# Altium PCB PCB SOM AM625.PcbDoc (part 3 of 6)
Units mm, origin at the board's own origin, x right, y up, seen from the top; angles counter-clockwise.
Board outline 92 x 91 mm, 6 copper layers (Top Layer, Layer 1, Layer 3, Layer 4, Layer 2, Bottom Layer), stack 1.56 mm thick; 480 components, 371 nets, 1721 pads, 738 vias.
Unrouted connection lines stored in the file: 13.
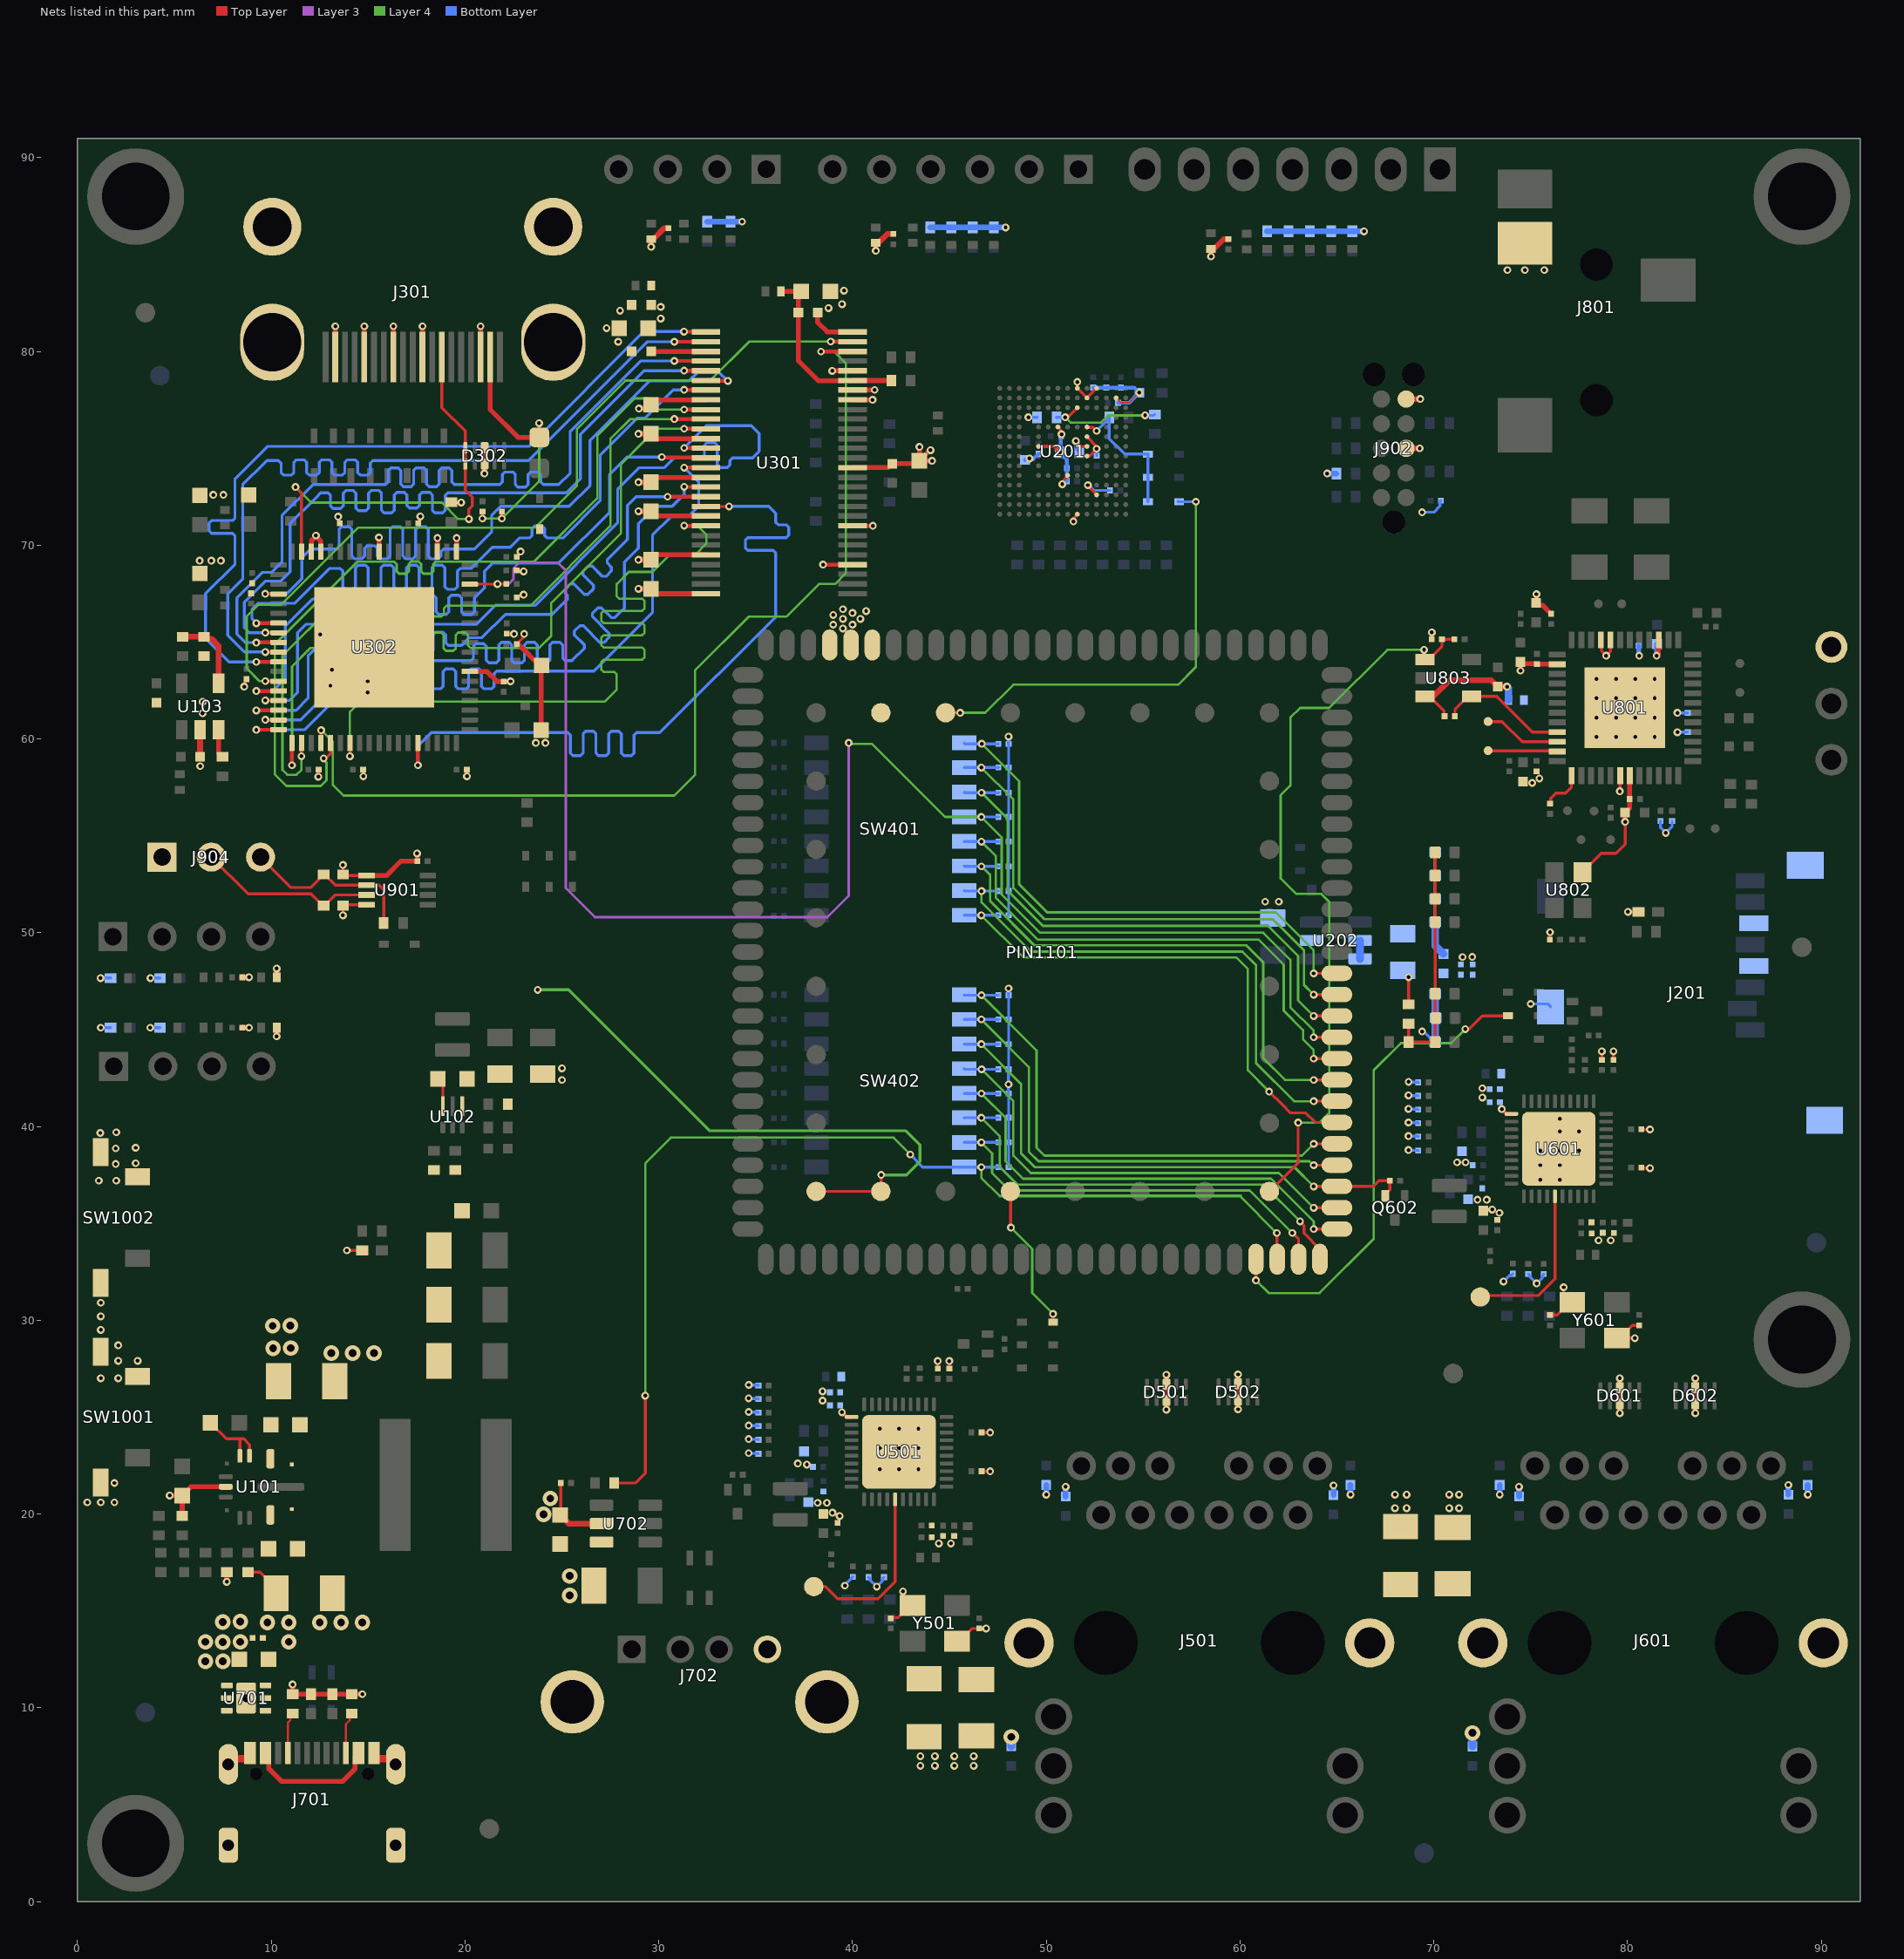
[diagram p7: the nets of this part, all layers, seen from the top]

## Via types
v1: diameter 0.4, hole 0.2, Top Layer to Bottom Layer, tented both sides, 695 vias
v2: diameter 0.8, hole 0.4, Top Layer to Bottom Layer, tented both sides, 40 vias
v3: diameter 0.6, hole 0.3, Top Layer to Bottom Layer, tented both sides, 3 vias

## Nets (pads, with @x,y where several pads share a name; then routed paths per layer and width w, separated by ;. In a path a pad name is that pad's centre, name@x,y a point inside that pad or via, vN(x,y) a via of type N, cw(c..) or ccw(c..) an arc to the next point about the centre after c; other vN are vias at no path point) (continued)
+VDD_3V3_OLDI: C301.1 C302.1 C303.1 C304.1 C305.1 C306.1 FB301.2 U301.31 U301.40 U301.48 U301.56 | length 13.6
  Top Layer w0.25: C303.1@29.6,67.75 29.852,67.498 U301.56@32.431,67.498 ; C304.1@29.6,71.75 29.839,71.511 U301.48@32.431,71.511 ; C302.1@29.6,75.75 29.851,75.499 U301.40@32.431,75.499 ; C306.1@29.6,80 29.603,79.997 32.428,79.997 U301.31@32.431,79.994
  Top Layer w0.3: v1(28.95,67.75) C303.1@29.6,67.75 ; v1(28.95,71.75) C304.1@29.6,71.75 ; v1(28.95,75.75) C302.1@29.6,75.75
  other v1: 30.1,81.7 30.1,82.3
+VDD_3V3_PLL: C309.1 C310.1 FB303.2 R302.2 U301.23 | length 9.8
  Top Layer w0.25: FB303.2@36.3,83.1 C309.1@37.35,83.1 37.2,82.95 C310.1@37.2,82 37.2,79.525 38.229,78.496 U301.23@40,78.496 40.002,78.498 41.898,78.498 R302.2@41.9,78.5
+VDD_3V3_SD: C214.2 C215.1 C216.1 C217.1 J201.4 R215.2 U202.5 U202.6 | length 2.4
  Top Layer w0.15: R215.2@68.7,46.3 v1(68.7,47.7)
  Bottom Layer w0.4: U202.6@66.2,48.65 U202.5@66.2,49.6
+VDD_SD: R215.1 R216.2 R217.2 R218.2 R219.2 R220.2 R221.2 R222.2 R223.2 | length 12.1
  Top Layer w0.15: R215.1@68.7,45.3 R216.2@68.7,44.35 R218.2@70.075,44.35 R220.2@70.075,46.85 R221.2@70.075,50.55 R222.2@70.075,51.75 R223.2@70.075,52.95 R217.2@70.075,54.15
+VSYS_5V: C102.1 C103.1 C104.1 C105.1 C112.1 C701.1 C702.1 C703.1 D301.1 J701.B4 J701.B9 PIN1101.109 PIN1101.136 R104.2 R107.2 R108.2 U101.8 U101.12 U102.6 U701.4 U701.5 U701.6 U702.3 | length 40.7
  Top Layer w0.15: R104.2@8.8,17 9.425,17 10.25,16.175 C104.1@10.25,15.9 ; C112.1@18.6,42.45 18.855,42.195 U102.6@18.855,41.048 ; PIN1101.109@38.121,36.65 PIN1101.136@41.463,36.65 41.475,36.662 v1(41.475,37.5)
  Top Layer w0.25: J701.B9@9.7,7.655 9.875,7.48 9.875,6.85 10.525,6.2 13.675,6.2 14.325,6.85 14.325,7.48 J701.B4@14.5,7.655
  Layer 4 w0.15: v1(23.75,47.05) 25.35,47.05 32.625,39.775 42.75,39.775 43.475,39.05 43.475,38.2 42.775,37.5 v1(41.475,37.5)
  other v2: 10.9,13.4 9.8,14.4 10.9,14.4 10.092,28.549 11,28.562 10.069,29.71 10.977,29.723
+VSYS_5V_HDMI: F301.2 J301.18 R308.2 R309.2 | length 14
  Top Layer w0.122: v1(23.825,76.3) 23.825,75.576 F301.2@23.836,75.566
  Top Layer w0.15: v1(20.9,71.375) R309.2@20.9,71.735 ; v1(21.9,71.375) R308.2@21.9,71.735
  Top Layer w0.25: J301.18@21.3,79.715 21.3,77 22.734,75.566 F301.2@23.836,75.566
  Layer 4 w0.122: v1(20.9,71.375) v1(21.9,71.375) 23.825,73.3 v1(23.825,76.3)
AGND_AUD: C805.2 C806.2 C807.2 C808.2 C809.2 C810.2 C813.2 C814.2 FB801.1 J801.4 TP803.1 U801.15 U801.20 U801.21 U801.26 U801.49 | length 8.7
  Top Layer w0.15: U801.21@78.619,65.107 78.657,65.068 78.657,64.543 v1(78.9,64.3) 79.119,64.519 U801.20@79.119,65.107
  Top Layer w0.25: v1(74.475,63.525) C809.2@74.475,63.975 74.565,63.885 75.3,63.885 C810.2@75.325,63.86 75.327,63.858 76.367,63.858 U801.26@76.369,63.856 ; v1(75.3,67.475) 75.287,67.463 75.287,67.038 C805.2@75.275,67.025 75.4,66.9 75.615,66.9 C807.2@76.05,66.465 ; v1(81.5,64.3) 81.5,64.341 81.591,64.432 81.591,65.079 U801.15@81.619,65.107
  Bottom Layer w0.15: v1(82.575,60.35) C813.2@83.11,60.35 ; v1(82.575,61.35) C814.2@83.11,61.35
  Bottom Layer w0.25: C808.2@80.55,64.81 80.575,64.785 80.575,64.325 v1(80.6,64.3) ; v1(81.5,64.3) 81.512,64.313 81.512,64.888 C806.2@81.525,64.9
  other v1: 78.4,60.1 79.4,60.1 80.4,60.1 81.4,60.1 78.4,61.1 79.4,61.1 80.4,61.1 81.4,61.1 78.4,62.1 79.4,62.1 80.4,62.1 81.4,62.1 78.4,63.1 79.4,63.1 80.4,63.1 81.4,63.1 73.8,84.2 74.7,84.2 75.7,84.2
AUD_RSTn: R814.2 U801.33 U803.4 | length 6.7
  Top Layer w0.15: R814.2@71.09,61.175 71.1,61.185 71.1,61.55 71.75,62.2 U803.4@71.95,62.2 73.25,62.2 75.093,60.357 U801.33@76.369,60.357
AUDIO_MSTRCLK: R808.1 U801.37 | length 2.2
  Top Layer w0.15: R808.1@76,56.665 76.042,56.707 76.042,56.942 76.3,57.2 76.809,57.2 77.1,57.491 77.1,58.088 U801.37@77.119,58.106
BOOTMODE0: PIN1101.96 R417.2 SW401.1 | length 28.8
  Top Layer w0.15: v1(63.8,47.9) 63.803,47.903 64.997,47.903 PIN1101.96@65,47.906
  Layer 4 w0.122: v1(46.665,59.75) 48.6,57.815 48.6,52.5 50.05,51.05 61.85,51.05 63.8,49.1 v1(63.8,47.9)
  Bottom Layer w0.15: SW401.1@45.76,59.795 45.805,59.75 v1(46.665,59.75) R417.2@47.525,59.75
BOOTMODE1: PIN1101.97 R418.2 SW401.2 | length 28.7
  Top Layer w0.15: v1(63.801,46.801) 63.804,46.804 64.998,46.804 PIN1101.97@65,46.806
  Layer 4 w0.122: v1(46.643,58.525) 48.3,56.868 48.3,52.3 49.9,50.7 61.7,50.7 63.3,49.1 63.3,47.303 v1(63.801,46.801)
  Bottom Layer w0.15: SW401.2@45.76,58.525 v1(46.643,58.525) R418.2@47.525,58.525
BOOTMODE2: PIN1101.98 R419.2 SW401.3 | length 28.4
  Top Layer w0.15: v1(63.801,45.701) 63.804,45.704 64.999,45.704 PIN1101.98@65.001,45.707
  Layer 4 w0.122: v1(46.658,57.225) 48,55.883 48,52.175 49.825,50.35 61.45,50.35 63,48.8 63,46.503 v1(63.801,45.701)
  Bottom Layer w0.15: SW401.3@45.76,57.255 45.79,57.225 v1(46.658,57.225) R419.2@47.525,57.225
BOOTMODE3: PIN1101.99 R312.1 R420.2 SW401.4 U302.52 | length 83
  Top Layer w0.122: U302.52@20.245,67.981 20.255,67.99 22.125,67.99 R312.1@22.135,68
  Top Layer w0.15: v1(63.801,44.601) 63.804,44.604 64.999,44.604 PIN1101.99@65.001,44.607
  Layer 3 w0.122: v1(21.675,68) 22.25,68 22.5,68.25 22.5,68.8 22.8,69.1 24.8,69.1 25.2,68.7 25.2,52.3 26.7,50.8 38.7,50.8 39.8,51.9 v1(39.8,59.8)
  Layer 4 w0.122: v1@39.8,59.75 41,59.75 44.775,55.975 v1(46.648,55.975) 47.7,54.923 47.7,51.975 49.675,50 61.2,50 62.6,48.6 62.6,46.15 63.801,44.949 v1(63.801,44.601)
  Bottom Layer w0.15: SW401.4@45.76,55.985 45.77,55.975 v1(46.648,55.975) R420.2@47.525,55.975
BOOTMODE4: PIN1101.100 R421.2 SW401.5 | length 28
  Top Layer w0.15: v1(63.801,43.501) 63.804,43.504 64.999,43.504 PIN1101.100@65.001,43.507
  Layer 4 w0.122: v1(46.65,54.7) 47.4,53.95 47.4,51.8 49.55,49.65 60.95,49.65 62.25,48.35 62.25,45.975 63.25,44.975 63.25,44.5 63.801,43.949 v1(63.801,43.501)
  Bottom Layer w0.15: SW401.5@45.76,54.715 45.775,54.7 v1(46.65,54.7) R421.2@47.525,54.7
BOOTMODE5: PIN1101.101 R422.2 SW401.6 | length 28.4
  Top Layer w0.15: v1(63.801,42.401) 63.804,42.404 64.999,42.404 PIN1101.101@65.001,42.407
  Layer 4 w0.122: v1(46.653,53.425) 47.1,52.978 47.1,51.625 49.375,49.35 60.325,49.35 61.2,48.475 61.2,43.525 62.324,42.401 v1(63.801,42.401)
  Bottom Layer w0.15: SW401.6@45.76,53.445 45.78,53.425 v1(46.653,53.425) R422.2@47.525,53.425
BOOTMODE6: PIN1101.102 R423.2 SW401.7 | length 27.9
  Top Layer w0.15: v1(63.803,41.303) 63.806,41.306 PIN1101.102@65,41.306 PIN1101.102@65.003,41.309
  Layer 4 w0.122: v1(46.655,52.15) 46.655,51.57 49.2,49.025 60.125,49.025 60.825,48.325 60.825,43.275 62.797,41.303 v1(63.803,41.303)
  Bottom Layer w0.15: SW401.7@45.76,52.175 45.785,52.15 v1(46.655,52.15) R423.2@47.525,52.15
BOOTMODE7: PIN1101.103 R424.2 SW401.8 | length 27.6
  Top Layer w0.15: v1(61.5,41.8) 62.171,41.129 62.6,40.7 63.4,40.7 63.894,40.206 PIN1101.103@65,40.206
  Layer 4 w0.122: v1(46.645,50.9) 48.82,48.725 59.8,48.725 60.4,48.125 60.4,42.9 v1(61.5,41.8)
  Bottom Layer w0.15: SW401.8@45.76,50.905 45.765,50.9 v1(46.645,50.9) R424.2@47.525,50.9
BOOTMODE8: PIN1101.104 R425.2 SW402.1 | length 26.7
  Top Layer w0.15: v1(63.803,39.103) 63.806,39.106 PIN1101.104@65,39.106 PIN1101.104@65.003,39.109
  Layer 4 w0.122: v1(46.653,46.775) 49.5,43.928 49.5,38.9 49.9,38.5 63.2,38.5 v1(63.803,39.103)
  Bottom Layer w0.15: SW402.1@45.76,46.795 45.78,46.775 v1(46.653,46.775) R425.2@47.525,46.775
BOOTMODE9: PIN1101.105 R426.2 SW402.2 | length 25.8
  Top Layer w0.15: v1(63.8,38) 63.803,38.003 64.997,38.003 PIN1101.105@65,38.006
  Layer 4 w0.122: v1(46.643,45.525) 49.1,43.068 49.1,38.7 49.6,38.2 63.59,38.2 63.79,38 v1(63.8,38)
  Bottom Layer w0.15: SW402.2@45.76,45.525 v1(46.643,45.525) R426.2@47.525,45.525
BOOTMODE10: PIN1101.106 Q602.2 R427.2 R620.1 SW402.3 | length 29
  Top Layer w0.15: v1(63.803,36.903) 63.806,36.906 PIN1101.106@65,36.906 66.881,36.906 67.175,37.2 R620.1@67.735,37.2 67.735,36.733 67.647,36.645 67.625,36.645 67.5,36.52 Q602.2@67.5,36.42
  Layer 4 w0.122: v1(46.645,44.25) 48.7,42.195 48.7,38.6 49.4,37.9 62.806,37.9 v1(63.803,36.903)
  Bottom Layer w0.15: SW402.3@45.76,44.255 45.765,44.25 v1(46.645,44.25) R427.2@47.525,44.25
BOOTMODE11: PIN1101.107 R428.2 SW402.4 | length 24.7
  Top Layer w0.15: v1(63.803,35.803) 63.806,35.806 PIN1101.107@65,35.806 PIN1101.107@65.003,35.809
  Layer 4 w0.122: v1(46.66,42.95) 48.3,41.31 48.3,38.5 49.2,37.6 62.006,37.6 v1(63.803,35.803)
  Bottom Layer w0.15: SW402.4@45.76,42.985 45.795,42.95 v1(46.66,42.95) R428.2@47.525,42.95
BOOTMODE12: PIN1101.108 R429.2 SW402.5 | length 24.6
  Top Layer w0.15: v1(63.803,34.703) 63.806,34.706 PIN1101.108@65,34.706 PIN1101.108@65.003,34.709
  Layer 4 w0.122: v1(46.65,41.7) 47.9,40.45 47.9,38.2 48.8,37.3 61.6,37.3 63.803,35.097 v1(63.803,34.703)
  Bottom Layer w0.15: SW402.5@45.76,41.715 45.775,41.7 v1(46.65,41.7) R429.2@47.525,41.7
BOOTMODE13: PIN1101.1 R430.2 SW402.6 | length 23.7
  Top Layer w0.15: v1(63.1,35.1) 63.1,35.087 63.3,34.887 63.3,34.5 64.121,33.679 PIN1101.1@64.121,33.15
  Layer 4 w0.122: v1(46.645,40.45) 47.6,39.495 47.6,37.9 48.5,37 61.2,37 v1(63.1,35.1)
  Bottom Layer w0.15: SW402.6@45.76,40.445 45.765,40.45 v1(46.645,40.45) R430.2@47.525,40.45
BOOTMODE14: PIN1101.2 R431.2 SW402.7 | length 21.8
  Top Layer w0.15: v1(62.7,34.5) 63.021,34.179 PIN1101.2@63.021,33.15
  Layer 4 w0.122: v1(46.643,39.175) 47.2,38.618 47.2,37.6 48.1,36.7 60.5,36.7 v1(62.7,34.5)
  Bottom Layer w0.15: SW402.7@45.76,39.175 v1(46.643,39.175) R431.2@47.525,39.175
BOOTMODE15: PIN1101.3 R432.2 R703.1 SW402.8 | length 67.6
  Top Layer w0.15: R703.1@27.7,21.6 28.8,21.6 29.3,22.1 v1(29.3,26.1) ; v1(61.9,34.5) 61.911,34.489 61.911,33.161 PIN1101.3@61.921,33.15
  Layer 4 w0.122: v1(29.3,26.1) 29.3,38.1 30.625,39.425 42.115,39.425 42.975,38.565 v1(42.975,38.55) ; v1(46.645,37.9) 46.645,37.355 47.6,36.4 60,36.4 v1(61.9,34.5) ; 47.987,36.428 60.038,36.428
  Bottom Layer w0.15: v1(42.975,38.55) 43.62,37.905 SW402.8@45.76,37.905 45.765,37.9 v1(46.645,37.9) R432.2@47.525,37.9
CBOOT: C110.1 U101.13 U101.14 | length 3.9
  Top Layer w0.15: C110.1@6.85,24.7 7.675,23.875 8.375,23.875 ; U101.14@8.375,23 8.375,23.875 ; U101.13@8.875,23 8.875,23.575 8.575,23.875 8.375,23.875
CC1: J701.A5 R702.2 | length 2.1
  Top Layer w0.107: J701.A5@10.85,7.655 10.85,9.225 10.977,9.352 10.977,9.577 R702.2@11.1,9.7
CC2: J701.B5 R701.2 | length 2.2
  Top Layer w0.107: J701.B5@13.85,7.655 13.85,9.15 14.052,9.352 14.052,9.602 R701.2@14.15,9.7
CLKOUT1: TP501.0 U501.35 | length 9.1
  Top Layer w0.15: TP501.0@38,16.25 38.6,16.25 39.225,15.625 41.325,15.625 42.2,16.5 U501.35@42.2,20.75
CLKOUT2: TP601.0 U601.35 | length 8.7
  Top Layer w0.15: TP601.0@72.2,31.1 72.363,31.263 72.705,31.263 72.713,31.27 75.38,31.27 76.255,32.145 U601.35@76.255,36.395
DATA_STROBE: R213.2 U201.H5 | length 1.3
  Top Layer w0.15: v1(51.525,75.375) 51.8,75.1 U201.H5@52.1,75.1
  Bottom Layer w0.15: v1(51.525,75.375) 51.525,74.975 R213.2@51.7,74.8
DEBUG_RX: D907.2 J904.3 R907.1 U901.2 | length 9.3
  Top Layer w0.15: J904.3@9.44,53.9 11.011,52.329 12.029,52.329 12.475,52.775 12.475,52.825 12.65,53 12.75,53 13.3,52.45 U901.2@14.924,52.45 15.55,52.45 15.8,52.2 R907.1@15.8,50.5
DEBUG_TX: D906.2 J904.2 U901.3 | length 9.3
  Top Layer w0.15: J904.2@6.9,53.9 8.8,52 12.05,52 12.65,51.4 D906.2@12.7,51.4 12.75,51.4 13.3,51.95 U901.3@14.924,51.95
DVDD10_1: C503.1 C504.1 FB503.2 U501.21 | length 0.6
  Top Layer w0.2: v1(39.45,25.25) 39.7,25 U501.21@39.95,25
DVDD10_2: C603.1 C604.1 FB603.2 U601.21 | length 0.6
  Top Layer w0.2: v1(73.505,40.895) 73.755,40.645 U601.21@74.005,40.645
eMMC_CLK: R211.2 R212.2 U201.M6 | length 6.2
  Top Layer w0.15: v1(50.975,76.6) 51.023,76.648 51.148,76.648 U201.M6@51.6,77.1
  Layer 4 w0.122: v1(50.975,76.6) 51.244,76.331 52.831,76.331 53.2,76.7 v1(55.1,76.7)
  Bottom Layer w0.122: v1(55.1,76.7) 55.55,76.7 R211.2@55.6,76.75
  Bottom Layer w0.15: R212.2@50.525,76.6 v1(50.975,76.6)
eMMC_RST: D201.1 D202.1 D203.1 R210.1 U201.K5 | length 7.4
  Top Layer w0.15: U201.K5@52.1,76.1 52.119,76.081 52.419,76.081 v1(52.6,75.9)
  Bottom Layer w0.15: v1(52.6,75.9) R210.1@53.25,76.55 ; R210.1@53.25,76.6 R210.1@53.25,76.55 ; D202.1@55.25,72.25 D201.1@55.25,73.5 D203.1@55.25,74.7 54.05,74.7 53.25,75.5 R210.1@53.25,76.55
EMMC_RSTn: D202.2 PIN1101.118 | length 23.3
  Top Layer w0.15: PIN1101.118@44.805,61.353 v1@45.555,61.353
  Layer 4 w0.122: v1(45.556,61.352) 46.851,61.352 48.3,62.8 56.8,62.8 57.72,63.72 v1(57.72,72.244)
  Bottom Layer w0.15: D202.2@56.8,72.25 D202.2@56.85,72.25 56.853,72.247 57.717,72.247 v1(57.72,72.244)
EN_1V2: R111.1 U103.3 | length 1.5
  Top Layer w0.25: U103.3@7.275,60.475 7.275,59.25 7.45,59.075 R111.1@7.475,59.075
FB_1V2: R112.1 R113.2 U103.4 | length 4
  Top Layer w0.3: R112.1@5.425,65.275 R113.2@6.525,65.275 6.625,65.175 6.9,65.175 7.275,64.8 U103.4@7.275,62.875
GBE1_RSTn: D503.2 PIN1101.134 | length 7.7
  Top Layer w0.15: PIN1101.134@48.147,36.65 48.161,36.636 48.161,34.789 v1(48.175,34.775) ; D503.2@50.35,29.9 v1(50.35,30.325)
  Layer 4 w0.122: v1(48.175,34.775) 49.275,33.675 49.275,31.4 v1(50.35,30.325)
GBE2_RSTn: D603.2 PIN1101.4 | length 25.4
  Top Layer w0.15: v1(60.821,32.056) PIN1101.4@60.821,33.15 ; v1(71.625,45.025) 71.825,45.025 72.512,45.712 73.812,45.712 D603.2@73.825,45.725
  Layer 4 w0.122: v1(60.821,32.056) 61.477,31.4 64.1,31.4 66.9,34.2 66.9,42.9 68.3,44.3 70.9,44.3 v1(71.625,45.025)
GND: C101.2 C102.2 C103.2 C104.2 C105.2 C106.1 C107.1 C108.1 C109.1 C112.2 C114.1 C115.1 C116.2 C117.2 C201.2 C202.2 C203.2 C204.2 C205.2 C206.2 C207.2 C208.2 C209.2 C210.2 C211.2 C212.2 C213.2 C214.1 C215.2 C216.2 C217.2 C301.2 C302.2 C303.2 C304.2 C305.2 C306.2 C307.2 C308.2 C309.2 C310.2 C311.2 C312.2 C313.2 C314.2 C315.2 C316.2 C317.2 C318.2 C319.2 C320.2 C321.2 C322.2 C323.2 C324.2 C325.2 C326.2 C327.2 C501.2 C502.2 C503.2 C504.2 C505.2 C506.2 C507.2 C508.2 C509.2 C510.2 C511.2 C512.2 C513.1 C514.1 C515.2 C516.2 C517.2 C518.2 C519.2 C520.2 C521.2 C522.2 C523.1 C601.2 C602.2 C603.2 C604.2 C605.2 C606.2 C607.2 C608.2 C609.2 C610.2 C611.2 C612.2 C613.1 C614.1 C615.2 C616.2 C617.2 C618.2 C619.2 C620.2 C621.2 C622.2 C623.1 C701.2 C702.2 C703.2 C704.2 C705.2 C801.2 C802.2 C803.2 C804.2 C818.1 C819.2 C901.2 C902.2 C903.2 C904.2 C905.2 C906.2 C907.2 D206.1 D207.1 D208.1 D209.1 D210.1 D211.1 D212.1 D302.3 D302.8 D501.3 D501.8 D502.3 D502.8 D601.3 D601.8 D602.3 D602.8 D701.1 D702.1 D901.1 D902.1 D903.1 D904.1 D906.1 D907.1 D908.1 D909.1 D910.1 D911.1 D912.1 D913.1 D914.1 D915.1 D916.1 D917.1 D918.1 FB801.2 FB904.2 FB908.2 FB912.2 FB924.2 FB925.2 J201.6 J201.10 J201.11 J201.12 J301.2 J301.5 J301.8 J301.11 J301.17 J301.20 J301.21 J301.22 J301.23 J701.B1 J701.B12 J701.S1 J701.S2 J701.S3 J701.S4 J702.4 J702.5 J702.6 J902.3 J902.5 J904.1 LED1001.2 LED1002.2 PIN1101.58 PIN1101.59 PIN1101.60 PIN1101.117 R105.1 R106.1 R110.2 R113.1 R212.1 R213.1 R311.1 R313.2 R314.1 R417.1 R418.1 R419.1 R420.1 R421.1 R422.1 R423.1 R424.1 R425.1 R426.1 R427.1 R428.1 R429.1 R430.1 R431.1 R432.1 R505.2 R509.1 R510.1 R512.1 R514.1 R516.1 R518.1 R522.1 R526.1 R528.1 R530.1 R605.2 R609.1 R610.1 R612.1 R614.1 R616.1 R618.1 R622.1 R626.1 R628.1 R630.1 R701.1 R702.1 R812.1 R813.1 R814.1 R815.1 R906.1 SW1001.1 SW1001.3 SW1001.4 SW1002.1 SW1002.3 SW1002.4 U101.3 U101.9 U101.11 U102.4 U103.2 U201.A6 U201.C4 U201.E7 U201.G5 U201.H10 U201.J5 U201.K8 U201.N2 U201.N5 U201.P4 U201.P6 U202.2 U301.4 U301.8 U301.14 U301.21 U301.22 U301.24 U301.28 U301.36 U301.44 U301.52 U302.43 U302.55 U302.57 U302.63 U302.69 U302.70 U302.73 U501.41 U601.41 U701.1 U701.2 U701.3 U701.7 U702.2 U801.42 U801.43 U802.2 U803.3 U901.1 U901.4 Y501.2 Y501.4 Y601.2 Y601.4 | length 194.8
  Top Layer w0.08: U201.N2@53.6,77.6 53.845,77.355 54.28,77.355 v1(54.8,77.875)
  Top Layer w0.15: v1(8.6,62.7) 8.6,62.768 8.65,62.818 8.65,63.01 C316.2@8.725,63.085 ; v1(12.425,58.05) 12.432,58.058 12.432,58.418 C324.2@12.44,58.425 ; v1(13.45,71.477) 13.492,71.435 13.492,71.168 C321.2@13.535,71.125 ; v1(13.7,50.9) D906.1@13.7,51.4 13.75,51.45 U901.4@14.924,51.45 ; v1(13.7,53.5) D907.1@13.7,53 13.75,52.95 U901.1@14.924,52.95 ; v1(13.9,33.6) LED1002.2@14.692,33.6 ; C315.2@14.74,58.425 14.745,58.42 14.745,58.08 v1(14.75,58.075) ; C320.2@17.59,71.125 17.638,71.173 17.638,71.439 v1(17.686,71.486) ; R313.2@19.286,72.216 19.301,72.2 v1(19.8,72.2) ; R314.1@20.09,58.425 20.095,58.42 20.095,58.08 v1(20.1,58.075) ; C313.2@22.15,65.435 22.155,65.43 22.52,65.43 v1(22.525,65.425) ; C326.2@22.665,64.9 22.74,64.975 23.002,65.237 23.002,65.377 v1(23.05,65.425) ; C327.2@22.665,67.3 22.74,67.375 22.925,67.375 23,67.45 v1(23.025,67.45) ; C312.2@22.665,68.7 22.69,68.675 23,68.675 v1(23.025,68.65) v1@23.025,68.7 ; C703.2@24.9,19.95 24.935,19.985 C705.2@24.935,21.6 ; C521.2@41.975,14.615 42.01,14.65 42.348,14.65 42.514,14.817 42.973,15.275 Y501.4@43.1,15.275 ; v1(42.6,16) 42.6,15.738 43.058,15.28 Y501.4@43.095,15.28 ; C513.1@44.395,27.505 v1(44.395,27.895) ; C508.2@44.995,27.505 v1(44.995,27.895) ; Y501.2@45.4,13.425 45.527,13.425 46.187,14.085 C522.2@46.55,14.085 ; C522.2@46.545,14.09 v1(46.89,14.09) ; C510.2@46.665,22.2 v1(47.1,22.2) ; C511.2@46.665,24.2 v1(47.1,24.2) ; U201.K8@50.6,76.1 50.6,76.073 50.738,75.935 50.738,75.777 v1(50.785,75.729) ; v1(50.825,73.15) 50.873,73.198 50.873,73.346 51.1,73.573 U201.E7@51.1,73.6 ; v1(51.4,71.225) 51.448,71.273 51.448,71.421 51.6,71.573 U201.A6@51.6,71.6 ; v1(51.6,78.425) U201.P6@51.6,78.1 U201.N5@52.1,77.6 U201.P4@52.6,78.1 ; U201.G5@52.1,74.6 52.119,74.619 52.244,74.619 v1(52.6,74.975) 52.6,75.1 U201.J5@52.1,75.6 ; v1(52.148,73.098) 52.148,73.075 52.6,72.623 U201.C4@52.6,72.6 ; R815.1@69.895,65.15 69.897,65.153 69.897,65.497 v1(69.9,65.5) ; U803.3@69.975,62.2 69.975,61.975 70.003,61.975 70.523,61.456 70.523,61.212 R814.1@70.56,61.175 ; C818.1@75.985,49.65 75.992,49.658 75.992,50.017 v1(76,50.025) ; C621.2@76,30.265 76.363,30.265 77.023,30.925 Y601.4@77.15,30.925 76.7,31.375 v1(76.7,31.7) ; U802.2@77.675,53.125 77.675,53.176 78.07,53.571 78.121,53.571 78.65,54.1 79.4,54.1 79.875,54.575 v1(79.875,55.725) ; C613.1@78.675,43.44 v1(78.675,43.875) ; C608.2@79.275,43.44 v1(79.275,43.875) ; Y601.2@79.45,29.075 Y601.2@79.587,29.075 ; v1(79.6,57.3) 79.609,57.309 79.609,58.097 U801.42@79.619,58.106 ; v1(80.025,51.075) LED1001.2@80.567,51.075 ; v1(80.375,29.075) Y601.2@79.587,29.075 ; C622.2@80.605,29.73 80.242,29.73 Y601.2@79.587,29.075 ; C610.2@80.715,37.875 80.73,37.86 81.14,37.86 v1(81.155,37.845) ; C611.2@80.72,39.845 v1(81.155,39.845)